# KiCad board Keyb1.kicad_pcb
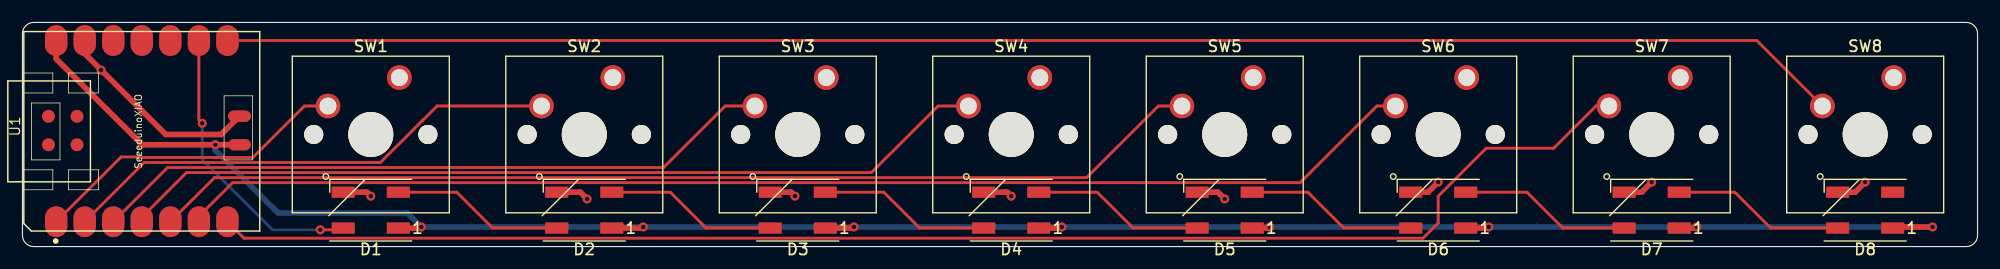
[diagram p0: board, top side]
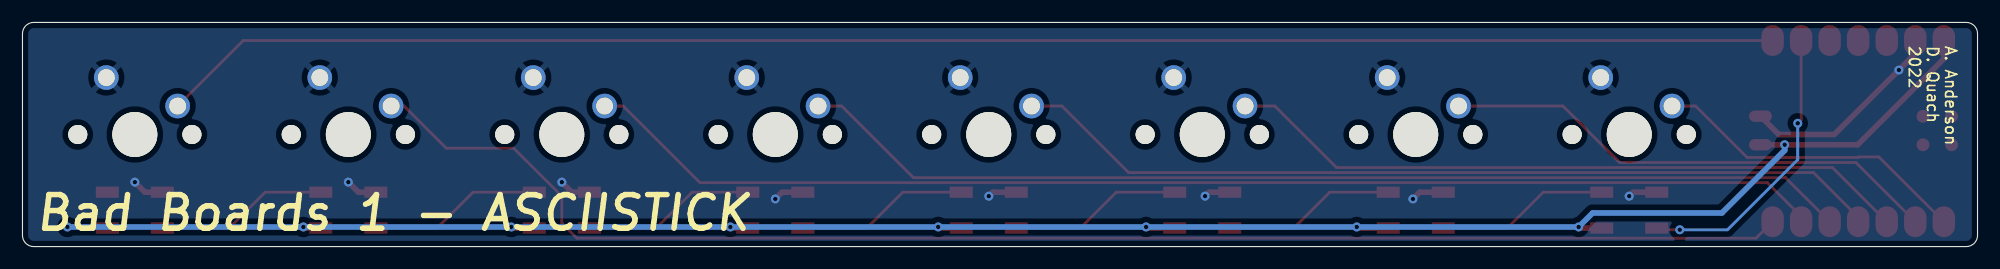
[diagram p1: board, bottom side, seen from below]

Outline 174 x 20 mm; copper layers: Top, Bottom. Coordinates in mm from the lower left corner of the outline.
Outline path: 0,19 arc(0.29,19.71) 1,20 173,20 arc(173.71,19.71) 174,19 174,1 arc(173.71,0.29) 173,0 1,0 arc(0.29,0.29) 0,1 0,19
Stack: Top 0.035mm / dielectric 1.51mm FR4 er 4.5 / Bottom 0.035mm

## Placement (name value [footprint] x y rotation side)
D1  WS2812B  [LED_WS2812B_PLCC4_5.0x5.0mm_P3.2mm_longpads]  31 3.25 180 top
D2  WS2812B  [LED_WS2812B_PLCC4_5.0x5.0mm_P3.2mm_longpads]  50 3.25 180 top
D3  WS2812B  [LED_WS2812B_PLCC4_5.0x5.0mm_P3.2mm_longpads]  69 3.25 180 top
D4  WS2812B  [LED_WS2812B_PLCC4_5.0x5.0mm_P3.2mm_longpads]  88 3.25 180 top
D5  WS2812B  [LED_WS2812B_PLCC4_5.0x5.0mm_P3.2mm_longpads]  107 3.25 180 top
D6  WS2812B  [LED_WS2812B_PLCC4_5.0x5.0mm_P3.2mm_longpads]  126 3.25 180 top
D7  WS2812B  [LED_WS2812B_PLCC4_5.0x5.0mm_P3.2mm_longpads]  145 3.25 180 top
D8  WS2812B  [LED_WS2812B_PLCC4_5.0x5.0mm_P3.2mm_longpads]  164 3.25 180 top
SW1  SW_SPST  [SW_Cherry_MX_1.00u_PCB]  33.54 15.08 0 top
SW2  SW_SPST  [SW_Cherry_MX_1.00u_PCB]  52.54 15.08 0 top
SW3  SW_SPST  [SW_Cherry_MX_1.00u_PCB]  71.54 15.08 0 top
SW4  SW_SPST  [SW_Cherry_MX_1.00u_PCB]  90.54 15.08 0 top
SW5  SW_SPST  [SW_Cherry_MX_1.00u_PCB]  109.54 15.08 0 top
SW6  SW_SPST  [SW_Cherry_MX_1.00u_PCB]  128.54 15.08 0 top
SW7  SW_SPST  [SW_Cherry_MX_1.00u_PCB]  147.54 15.08 0 top
SW8  SW_SPST  [SW_Cherry_MX_1.00u_PCB]  166.54 15.08 0 top
U1  SeeeduinoXIAO  [Seeeduino XIAO-MOUDLE14P-2.54-21X17.8MM]  21.12 1.39 90 top

## Footprints (pads in the part's own frame, mm; a bottom-side part is the same pattern mirrored in y, then rotated)
LED_WS2812B_PLCC4_5.0x5.0mm_P3.2mm_longpads
  rect 2.05x1 smd: 1(-2.45,1.6) 2(-2.45,-1.6) 3(2.45,-1.6) 4(2.45,1.6)
Seeeduino XIAO-MOUDLE14P-2.54-21X17.8MM
  oval 2.748x1.999 smd: 1(0.833,18.118) 2(0.833,15.578) 3(0.833,13.038) 4(0.833,10.498) 5(0.833,7.958) 6(0.833,5.418) 7(0.833,2.878) 8(16.998,2.878) 9(16.998,5.418) 10(16.998,7.958) 11(16.998,10.498) 12(16.998,13.038) 13(16.998,15.578) 14(16.998,18.118)
  oval 1.016x2.032 smd: 15(7.7,1.8) 16(10.25,1.8)
  round 1.143 smd: 17(7.699,18.804) 18(10.239,18.804) 19(7.699,16.264) 20(10.239,16.264)
SW_Cherry_MX_1.00u_PCB
  round 1.7 hole 1.7 unplated: (-7.62,-5.08) (2.54,-5.08)
  round 4 hole 4 unplated: (-2.54,-5.08)
  round 2.2 hole 1.5: 1(0,0) 2(-6.35,-2.54)

## Nets
+5V: D1.1 D2.1 D3.1 D4.1 D5.1 D6.1 D7.1 D8.1 U1.14 U1.15
/D0: SW1.2 U1.1
/D1: SW2.2 U1.2
/D2: SW3.2 U1.3
/D3: SW4.2 U1.4
/D4: SW5.2 U1.5
/D5: SW6.2 U1.6
/D6: SW7.2 U1.7
/D7: SW8.2 U1.8
/NEO: D1.4 U1.9
Earth: D1.3 D2.3 D3.3 D4.3 D5.3 D6.3 D7.3 D8.3 SW1.1 SW2.1 SW3.1 SW4.1 SW5.1 SW6.1 SW7.1 SW8.1 U1.13 U1.16
Net-(D1-Pad2): D1.2 D2.4
Net-(D2-Pad2): D2.2 D3.4
Net-(D3-Pad2): D3.2 D4.4
Net-(D4-Pad2): D4.2 D5.4
Net-(D5-Pad2): D5.2 D6.4
Net-(D6-Pad2): D6.2 D7.4
Net-(D7-Pad2): D7.2 D8.4

Pads without a net: D8 2; U1 10 11 12 17 18 19 20

## Via types
v1: diameter 0.8, hole 0.4, Top to Bottom, 20 vias

## Routing (per net, layer and track width the routed paths; a pad name or vN(x,y) marks a point on that pad's centre or on a via; arc(x,y) is an arc through that point)
+5V: length 195.8
  Top w0.5: v1(149,1.75) 148.9,1.65 D7.1 ; v1(35.5,1.75) 35.4,1.65 D1.1 ; U1.15 v1(17.16,9.09) 10.66,9.09 3,16.75 U1.14 ; D4.1 92.4,1.65 v1(92.5,1.75) ; D6.1 130.4,1.65 v1(130.5,1.75) ; v1(55.25,1.75) 55.15,1.65 D2.1 ; v1(170,1.75) 166.55,1.75 D8.1 ; D3.1 73.9,1.65 v1(74,1.75) ; v1(111,1.75) 110.9,1.65 D5.1
  Bottom w0.5: v1(17.16,9.09) 17.16,8.59 22.75,3 34.25,3 v1(35.5,1.75) v1(55.25,1.75) v1(74,1.75) v1(92.5,1.75) v1(111,1.75) v1(130.5,1.75) v1(149,1.75) v1(170,1.75)
/D0: length 28.5
  Top w0.25: SW1.2 25.09,12.54 20.5,7.95 10.64,7.95 10.59,8 8.78,8 U1.1
/D1: length 45.3
  Top w0.25: SW2.2 36.9,12.54 35.58,11.22 35.57,11.22 34.86,10.51 34.86,10.5 31.86,7.5 10.82,7.5 U1.2 5.54,2.54
/D2: length 61.4
  Top w0.25: U1.3 12.91,7.05 57.05,7.05 62.54,12.54 SW3.2
/D3: length 78.1
  Top w0.25: U1.4 10.62,2.62 14.6,6.6 75.55,6.6 81.49,12.54 SW4.2
/D4: length 94.3
  Top w0.25: U1.5 17.09,6.15 94.7,6.15 101.09,12.54 SW5.2
/D5: length 111
  Top w0.25: SW6.2 120.54,12.54 113.7,5.7 18.7,5.7 15.7,2.7 U1.6
/D6: length 129.8
  Top w0.25: U1.7 19.71,0.75 124.65,0.75 126,2.1 126,4.5 130.28,8.78 136.28,8.78 140.04,12.54 SW7.2
/D7: length 144.4
  Top w0.25: U1.8 154.35,18.38 SW8.2
/NEO: length 26
  Top w0.25: v1(16,11) 15.7,11.3 U1.9 ; v1(26.5,1.5) 28.4,1.5 D1.4
  Bottom w0.25: v1(26.5,1.5) 22.25,1.5 16,7.75 v1(16,11)
Earth: length 41.1
  Top w0.25: 32.72,15.08 SW1.1
  Top w0.5: U1.16 17.68,10 12.75,10 v1(7,15.75) 5.54,17.21 U1.13 ; D5.3 106.4,4.85 v1(107,4.25) ; D8.3 163.1,4.85 v1(164,5.75) ; D4.3 87.65,4.85 v1(88,4.5) ; D2.3 49.65,4.85 v1(50.25,4.25) ; D1.3 30.65,4.85 v1(31,4.5) ; v1(145,5.75) 144.1,4.85 D7.3 ; D3.3 68.4,4.85 v1(68.75,4.5) ; D6.3 125.1,4.85 v1(126,5.75)
Net-(D1-Pad2): length 15.4
  Top w0.25: D1.2 38.65,4.85 41.85,1.65 D2.4
Net-(D2-Pad2): length 15.4
  Top w0.25: D2.2 57.65,4.85 60.85,1.65 D3.4
Net-(D3-Pad2): length 15.4
  Top w0.25: D3.2 76.65,4.85 79.85,1.65 D4.4
Net-(D4-Pad2): length 15.4
  Top w0.25: D5.4 98.85,1.65 95.65,4.85 D4.2
Net-(D5-Pad2): length 15.4
  Top w0.25: D6.4 117.6,1.65 114.4,4.85 D5.2
Net-(D6-Pad2): length 15.4
  Top w0.25: D6.2 133.9,4.85 137.1,1.65 D7.4
Net-(D7-Pad2): length 15.4
  Top w0.25: D8.4 155.6,1.65 152.4,4.85 D7.2

## Copper pours and planes (outline as drawn; the poured copper is in the pictures)
Earth on Bottom: 178.25,-3.25 -2.75,-4 -3.75,22.75 -3.5,22.75 177.5,23.5

## Text on the board
B.Silkscreen: A. Anderson / D. Quach / 2022 | Bad Boards 1 - ASCIISTICK
